# KiCad board mtr_led_system_map.kicad_pcb (continued)
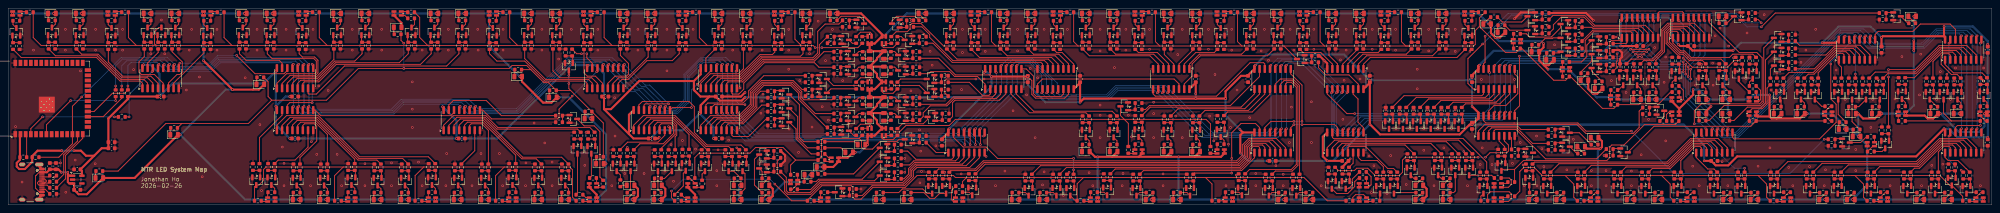
[diagram p0: board, top side]
## Placement (name value [footprint] x y rotation side) (continued)
R48  220R  [R_0603_1608Metric]  290.7 45.3 180 top
R49  220R  [R_0603_1608Metric]  283.7 45.3 180 top
R50  220R  [R_0603_1608Metric]  279.9 47.3 180 top
R51  220R  [R_0603_1608Metric]  270.5 45.3 180 top
R52  220R  [R_0603_1608Metric]  263.7 45.3 180 top
R53  220R  [R_0603_1608Metric]  452.3 18.5 180 top
R54  220R  [R_0603_1608Metric]  448.9 20.3 180 top
R55  220R  [R_0603_1608Metric]  445.4 20.6 0 top
R56  220R  [R_0603_1608Metric]  438.7 24.1 180 top
R57  220R  [R_0603_1608Metric]  433 24.1 180 top
R58  220R  [R_0603_1608Metric]  426.9 20.6 180 top
R59  220R  [R_0603_1608Metric]  420.4 20.7 180 top
R60  220R  [R_0603_1608Metric]  414.6 20.7 180 top
R61  220R  [R_0603_1608Metric]  103.7 3.1 180 top
R62  220R  [R_0603_1608Metric]  84 3.1 180 top
R63  220R  [R_0603_1608Metric]  64.4 3.1 180 top
R64  220R  [R_0603_1608Metric]  276.6 14.9 180 top
R65  220R  [R_0603_1608Metric]  296.7 14.9 180 top
R66  220R  [R_0603_1608Metric]  298.7 3.1 180 top
R67  220R  [R_0603_1608Metric]  483.4 24.2 180 top
R68  220R  [R_0603_1608Metric]  463.4 24.2 180 top
R69  220R  [R_0603_1608Metric]  455.8 13.1 180 top
R70  220R  [R_0603_1608Metric]  100.4 1 0 top
R71  220R  [R_0603_1608Metric]  97.1 3 180 top
R72  220R  [R_0603_1608Metric]  90.4 3 180 top
R73  220R  [R_0603_1608Metric]  80.7 1 0 top
R74  220R  [R_0603_1608Metric]  77.3 3 180 top
R75  220R  [R_0603_1608Metric]  70.6 3 180 top
R76  220R  [R_0603_1608Metric]  61.1 1 0 top
R77  220R  [R_0603_1608Metric]  274.1 13.5 270 top
R78  220R  [R_0603_1608Metric]  283.7 14.8 180 top
R79  220R  [R_0603_1608Metric]  290.7 14.8 180 top
R80  220R  [R_0603_1608Metric]  294.2 13.5 270 top
R81  220R  [R_0603_1608Metric]  318.4 3 0 top
R82  220R  [R_0603_1608Metric]  311.7 3 0 top
R83  220R  [R_0603_1608Metric]  295.4 1 0 top
R84  220R  [R_0603_1608Metric]  483.4 20.6 0 top
R85  220R  [R_0603_1608Metric]  477 24.1 180 top
R86  220R  [R_0603_1608Metric]  471.3 24.1 180 top
R87  220R  [R_0603_1608Metric]  463.4 20.6 180 top
R88  220R  [R_0603_1608Metric]  457 24.1 180 top
R89  220R  [R_0603_1608Metric]  451.2 24.1 180 top
R90  220R  [R_0603_1608Metric]  455.8 16.7 0 top
R91  220R  [R_0603_1608Metric]  145.6 5.2 270 top
R92  220R  [R_0603_1608Metric]  139.8 2.5 0 top
R93  220R  [R_0603_1608Metric]  123.4 3.1 180 top
R94  220R  [R_0603_1608Metric]  265.7 3.1 180 top
R95  220R  [R_0603_1608Metric]  232.7 3.1 180 top
R96  220R  [R_0603_1608Metric]  482.4 3.1 0 top
R97  220R  [R_0603_1608Metric]  459 3.1 0 top
R98  220R  [R_0603_1608Metric]  435.3 3.1 0 top
R99  220R  [R_0603_1608Metric]  143.1 6.6 0 top
R100  220R  [R_0603_1608Metric]  139.8 1 0 top
R101  220R  [R_0603_1608Metric]  136.3 3 180 top
R102  220R  [R_0603_1608Metric]  129.7 3 180 top
R103  220R  [R_0603_1608Metric]  120.1 1 0 top
R104  220R  [R_0603_1608Metric]  116.7 3 180 top
R105  220R  [R_0603_1608Metric]  110 3 180 top
R106  220R  [R_0603_1608Metric]  286 3 180 top
R107  220R  [R_0603_1608Metric]  279.3 3 0 top
R108  220R  [R_0603_1608Metric]  262.4 1 0 top
R109  220R  [R_0603_1608Metric]  253.3 3 180 top
R110  220R  [R_0603_1608Metric]  246.5 3 180 top
R111  220R  [R_0603_1608Metric]  232.7 4.6 180 top
R112  220R  [R_0603_1608Metric]  220.1 3 180 top
R113  220R  [R_0603_1608Metric]  213.3 3 180 top
R114  220R  [R_0603_1608Metric]  479.1 1 0 top
R115  220R  [R_0603_1608Metric]  474.7 3 0 top
R116  220R  [R_0603_1608Metric]  467.9 3 0 top
R117  220R  [R_0603_1608Metric]  455.7 1 0 top
R118  220R  [R_0603_1608Metric]  450.9 3 0 top
R119  220R  [R_0603_1608Metric]  444.1 3 0 top
R120  220R  [R_0603_1608Metric]  432 1 0 top
R121  220R  [R_0603_1608Metric]  118.6 45.2 0 top
R122  220R  [R_0603_1608Metric]  141.7 45.2 0 top
R123  220R  [R_0603_1608Metric]  165 45.2 0 top
R124  220R  [R_0603_1608Metric]  361.2 1 0 top
R125  220R  [R_0603_1608Metric]  364.5 6.6 0 top
R126  220R  [R_0603_1608Metric]  331.5 8.1 0 top
R127  220R  [R_0603_1608Metric]  334.8 1 180 top
R128  220R  [R_0603_1608Metric]  121.9 47.3 180 top
R129  220R  [R_0603_1608Metric]  127.2 45.3 180 top
R130  220R  [R_0603_1608Metric]  134.1 45.3 180 top
R131  220R  [R_0603_1608Metric]  145 47.3 180 top
R132  220R  [R_0603_1608Metric]  150.6 45.3 180 top
R133  220R  [R_0603_1608Metric]  157.4 45.3 180 top
R134  220R  [R_0603_1608Metric]  168.3 47.3 180 top
R135  220R  [R_0603_1608Metric]  367.8 2.1 180 top
R136  220R  [R_0603_1608Metric]  367.8 5.6 180 top
R137  220R  [R_0603_1608Metric]  352 3 180 top
R138  220R  [R_0603_1608Metric]  352 6.5 0 top
R139  220R  [R_0603_1608Metric]  345.3 6.5 0 top
R140  220R  [R_0603_1608Metric]  345.3 3 0 top
R141  220R  [R_0603_1608Metric]  331.5 6.6 0 top
R142  220R  [R_0603_1608Metric]  328.2 1 0 top
R143  220R  [R_0603_1608Metric]  22.3 8.3 180 top
R144  220R  [R_0603_1608Metric]  40.6 18.9 180 top
R145  220R  [R_0603_1608Metric]  61.7 31.3 180 top
R146  220R  [R_0603_1608Metric]  95.3 41.9 180 top
R147  220R  [R_0603_1608Metric]  124.8 33.2 180 top
R148  220R  [R_0603_1608Metric]  133.3 28.1 180 top
R149  220R  [R_0603_1608Metric]  142 22.9 180 top
R150  220R  [R_0603_1608Metric]  144.8 11.8 180 top
R151  220R  [R_0603_1608Metric]  169.8 5.2 270 top
R152  220R  [R_0603_1608Metric]  163.9 2.5 0 top
R153  220R  [R_0603_1608Metric]  357.3 45.2 0 top
R154  220R  [R_0603_1608Metric]  336.8 45.2 0 top
R155  220R  [R_0603_1608Metric]  316.9 45.2 0 top
R156  220R  [R_0603_1608Metric]  178.5 3 180 top
R157  220R  [R_0603_1608Metric]  178.5 6.5 180 top
R158  220R  [R_0603_1608Metric]  167.2 6.6 180 top
R159  220R  [R_0603_1608Metric]  163.9 1 0 top
R160  220R  [R_0603_1608Metric]  159 6.5 180 top
R161  220R  [R_0603_1608Metric]  159 3 180 top
R162  220R  [R_0603_1608Metric]  152.3 3 0 top
R163  220R  [R_0603_1608Metric]  149.8 5.3 270 top
R164  220R  [R_0603_1608Metric]  360.6 47.3 180 top
R165  220R  [R_0603_1608Metric]  351 45.3 180 top
R166  220R  [R_0603_1608Metric]  344.2 45.3 180 top
R167  220R  [R_0603_1608Metric]  340.1 47.3 180 top
R168  220R  [R_0603_1608Metric]  330.8 45.3 180 top
R169  220R  [R_0603_1608Metric]  324 45.3 180 top
R170  220R  [R_0603_1608Metric]  320.2 47.3 180 top
R171  220R  [R_0603_1608Metric]  188.4 45.2 0 top
R172  220R  [R_0603_1608Metric]  207.5 40.5 90 top
R173  220R  [R_0603_1608Metric]  419.5 44.6 180 top
R174  220R  [R_0603_1608Metric]  465.9 44.6 0 top
R175  220R  [R_0603_1608Metric]  173.8 45.3 180 top
R176  220R  [R_0603_1608Metric]  180.7 45.3 180 top
R177  220R  [R_0603_1608Metric]  191.7 47.3 180 top
R178  220R  [R_0603_1608Metric]  195.3 45.3 180 top
R179  220R  [R_0603_1608Metric]  202 45.3 180 top
R180  220R  [R_0603_1608Metric]  209 40.5 90 top
R181  220R  [R_0603_1608Metric]  209.1 36.8 270 top
R182  220R  [R_0603_1608Metric]  209.1 33 270 top
R183  5.1k  [R_0603_1608Metric]  11 2.7 0 top
R184  5.1k  [R_0603_1608Metric]  11 7.2 0 top
R185  220R  [R_0603_1608Metric]  207.5 29.3 90 top
R186  220R  [R_0603_1608Metric]  207.5 17.9 90 top
R187  220R  [R_0603_1608Metric]  199 12.5 0 top
R188  220R  [R_0603_1608Metric]  405 20.6 0 top
R189  220R  [R_0603_1608Metric]  209 29.3 90 top
R190  220R  [R_0603_1608Metric]  209.1 25.5 270 top
R191  220R  [R_0603_1608Metric]  209.1 21.6 270 top
R192  220R  [R_0603_1608Metric]  209 17.9 90 top
R193  220R  [R_0603_1608Metric]  199 15.5 0 top
R194  220R  [R_0603_1608Metric]  199 14 0 top
R195  220R  [R_0603_1608Metric]  199 11 0 top
R196  220R  [R_0603_1608Metric]  408 20.6 180 top
R197  220R  [R_0603_1608Metric]  388.2 14.8 0 top
R198  220R  [R_0603_1608Metric]  384.9 12.6 0 top
R199  22R  [R_0603_1608Metric]  11 5.7 0 top
R200  22R  [R_0603_1608Metric]  11 4.2 0 top
R201  220R  [R_0603_1608Metric]  192.3 3.8 180 top
R202  220R  [R_0603_1608Metric]  199.7 3.1 180 top
R203  220R  [R_0603_1608Metric]  381.2 35.1 180 top
R204  220R  [R_0603_1608Metric]  369.2 42 180 top
R205  220R  [R_0603_1608Metric]  199 7.6 180 top
R206  220R  [R_0603_1608Metric]  195.6 5.7 180 top
R207  220R  [R_0603_1608Metric]  192.3 7.4 0 top
R208  220R  [R_0603_1608Metric]  185.3 6.5 0 top
R209  220R  [R_0603_1608Metric]  185.3 3 0 top
R210  220R  [R_0603_1608Metric]  196.4 1 0 top
R211  220R  [R_0603_1608Metric]  389.2 30.3 180 top
R212  220R  [R_0603_1608Metric]  385.7 32.3 0 top
R213  220R  [R_0603_1608Metric]  381.2 31.5 180 top
R214  220R  [R_0603_1608Metric]  377.3 37.3 180 top
R215  220R  [R_0603_1608Metric]  373.7 39.3 180 top
R216  220R  [R_0603_1608Metric]  369.2 38.4 180 top
R217  220R  [R_0603_1608Metric]  365.4 44.1 180 top
R218  220R  [R_0603_1608Metric]  363.6 46.1 180 top
R219  10k  [R_0603_1608Metric]  3.7 11.7 0 top
R220  33R  [R_0603_1608Metric]  27.8 21.6 0 top
R221  33R  [R_0603_1608Metric]  26.3 27.4 90 top
R222  33R  [R_0603_1608Metric]  27.8 27.4 90 top
R223  10k  [R_0603_1608Metric]  6.7 11.7 180 top
R224  220R  [R_0603_1608Metric]  217.6 29.3 270 top
R225  220R  [R_0603_1608Metric]  217.6 17.9 270 top
R226  220R  [R_0603_1608Metric]  426.9 29.2 0 top
R227  220R  [R_0603_1608Metric]  408 29.2 0 top
R228  220R  [R_0603_1608Metric]  393 28.2 180 top
R229  10k  [R_0603_1608Metric]  29.3 27.4 270 top
R230  220R  [R_0603_1608Metric]  216 36.8 270 top
R231  220R  [R_0603_1608Metric]  216 33 270 top
R232  220R  [R_0603_1608Metric]  216.1 29.3 270 top
R233  220R  [R_0603_1608Metric]  216 25.5 270 top
R234  220R  [R_0603_1608Metric]  216 21.6 270 top
R235  220R  [R_0603_1608Metric]  216.1 17.9 270 top
R236  220R  [R_0603_1608Metric]  263.7 14.8 180 top
R237  220R  [R_0603_1608Metric]  270.5 14.8 180 top
R238  220R  [R_0603_1608Metric]  426.9 27.7 0 top
R239  220R  [R_0603_1608Metric]  420.4 27.6 180 top
R240  220R  [R_0603_1608Metric]  414.6 27.6 180 top
R241  220R  [R_0603_1608Metric]  408 27.7 0 top
R242  220R  [R_0603_1608Metric]  402.4 27.6 180 top
R243  220R  [R_0603_1608Metric]  398.6 27.6 180 top
R244  220R  [R_0603_1608Metric]  393 24.6 180 top
R245  100R  [R_0603_1608Metric]  40.1 39.1 90 top
R246  10k  [R_0603_1608Metric]  41.7 39.1 270 top
R247  100R  [R_0603_1608Metric]  47.9 39 90 top
R248  10k  [R_0603_1608Metric]  49.5 39 270 top
R249  100R  [R_0603_1608Metric]  16.7 39.1 90 top
R250  10k  [R_0603_1608Metric]  18.3 39.1 270 top
R251  100R  [R_0603_1608Metric]  24.5 39 90 top
R252  10k  [R_0603_1608Metric]  26.1 39 270 top
R253  100R  [R_0603_1608Metric]  33.3 39.1 90 top
R254  10k  [R_0603_1608Metric]  34.9 39.1 270 top
R255  100R  [R_0603_1608Metric]  9.9 39.1 90 top
R256  10k  [R_0603_1608Metric]  11.5 39.1 270 top
R257  100R  [R_0603_1608Metric]  1.2 39 90 top
R258  10k  [R_0603_1608Metric]  2.8 39 270 top
R259  100R  [R_0603_1608Metric]  36.7 39.1 90 top
R260  10k  [R_0603_1608Metric]  38.3 39.1 270 top
R261  100R  [R_0603_1608Metric]  103.5 39.1 90 top
R262  10k  [R_0603_1608Metric]  105.1 39.1 270 top
R263  100R  [R_0603_1608Metric]  110.3 39.1 90 top
R264  10k  [R_0603_1608Metric]  111.9 39.1 270 top
R265  100R  [R_0603_1608Metric]  79.7 39.1 90 top
R266  10k  [R_0603_1608Metric]  81.3 39.1 270 top
R267  100R  [R_0603_1608Metric]  86.6 39.1 90 top
R268  10k  [R_0603_1608Metric]  88.2 39.1 270 top
R269  100R  [R_0603_1608Metric]  97.9 39.1 90 top
R270  10k  [R_0603_1608Metric]  99.5 39.1 270 top
R271  100R  [R_0603_1608Metric]  71.2 39 90 top
R272  10k  [R_0603_1608Metric]  72.8 39 270 top
R273  100R  [R_0603_1608Metric]  63.4 39.1 90 top
R274  10k  [R_0603_1608Metric]  65 39.1 270 top
R275  100R  [R_0603_1608Metric]  56.6 39.1 90 top
R276  10k  [R_0603_1608Metric]  58.2 39.1 270 top
R277  100R  [R_0603_1608Metric]  156.6 39.1 90 top
R278  10k  [R_0603_1608Metric]  158.2 39.1 270 top
R279  100R  [R_0603_1608Metric]  164.2 39 90 top
R280  10k  [R_0603_1608Metric]  165.8 39 270 top
R281  100R  [R_0603_1608Metric]  133.3 39.1 90 top
R282  10k  [R_0603_1608Metric]  134.9 39.1 270 top
R283  100R  [R_0603_1608Metric]  140.9 39 90 top
R284  10k  [R_0603_1608Metric]  142.5 39 270 top
R285  100R  [R_0603_1608Metric]  149.8 39.1 90 top
R286  10k  [R_0603_1608Metric]  151.4 39.1 270 top
R287  100R  [R_0603_1608Metric]  126.4 39.1 90 top
R288  10k  [R_0603_1608Metric]  128 39.1 270 top
R289  100R  [R_0603_1608Metric]  117.8 39 90 top
R290  10k  [R_0603_1608Metric]  119.4 39 270 top
R291  100R  [R_0603_1608Metric]  138 37.4 270 top
R292  10k  [R_0603_1608Metric]  136.4 37.4 90 top
R293  100R  [R_0603_1608Metric]  202.9 37.6 0 top
R294  10k  [R_0603_1608Metric]  202.9 36 180 top
R295  100R  [R_0603_1608Metric]  202.9 33.8 0 top
R296  10k  [R_0603_1608Metric]  202.9 32.2 180 top
R297  100R  [R_0603_1608Metric]  194.5 39.1 90 top
R298  10k  [R_0603_1608Metric]  196.1 39.1 270 top
R299  100R  [R_0603_1608Metric]  205 45.3 0 top
R300  10k  [R_0603_1608Metric]  205 43.7 180 top
R301  100R  [R_0603_1608Metric]  201.3 41.3 0 top
R302  10k  [R_0603_1608Metric]  201.3 39.7 180 top
R303  100R  [R_0603_1608Metric]  187.6 39 90 top
R304  10k  [R_0603_1608Metric]  189.2 39 270 top
R305  100R  [R_0603_1608Metric]  179.9 39.1 90 top
R306  10k  [R_0603_1608Metric]  181.5 39.1 270 top
R307  100R  [R_0603_1608Metric]  173 39.1 90 top
R308  10k  [R_0603_1608Metric]  174.6 39.1 270 top
R309  100R  [R_0603_1608Metric]  186.7 24.5 0 top
R310  10k  [R_0603_1608Metric]  186.7 22.9 180 top
R311  100R  [R_0603_1608Metric]  186.7 21.1 0 top
R312  10k  [R_0603_1608Metric]  186.7 19.5 180 top
R313  100R  [R_0603_1608Metric]  202.9 22.4 0 top
R314  10k  [R_0603_1608Metric]  202.9 20.8 180 top
R315  100R  [R_0603_1608Metric]  201.3 19 0 top
R316  10k  [R_0603_1608Metric]  201.3 17.4 180 top
R317  100R  [R_0603_1608Metric]  186.7 27.9 0 top
R318  10k  [R_0603_1608Metric]  186.7 26.3 180 top
R319  100R  [R_0603_1608Metric]  202.9 26.3 0 top
R320  10k  [R_0603_1608Metric]  202.9 24.7 180 top
R321  100R  [R_0603_1608Metric]  195.9 28.3 0 top
R322  10k  [R_0603_1608Metric]  195.9 26.7 180 top
R323  100R  [R_0603_1608Metric]  195.9 31.7 0 top
R324  10k  [R_0603_1608Metric]  195.9 30.1 180 top
R325  100R  [R_0603_1608Metric]  153.1 12.7 270 top
R326  10k  [R_0603_1608Metric]  151.5 12.7 90 top
R327  100R  [R_0603_1608Metric]  149.7 12.7 270 top
R328  10k  [R_0603_1608Metric]  148.1 12.7 90 top
R329  100R  [R_0603_1608Metric]  166.6 12.8 270 top
R330  10k  [R_0603_1608Metric]  165 12.8 90 top
R331  100R  [R_0603_1608Metric]  163.2 12.7 270 top
R332  10k  [R_0603_1608Metric]  161.6 12.7 90 top
R333  100R  [R_0603_1608Metric]  159.8 12.7 270 top
R334  10k  [R_0603_1608Metric]  158.2 12.7 90 top
R335  100R  [R_0603_1608Metric]  171.3 12.7 270 top
R336  10k  [R_0603_1608Metric]  169.7 12.7 90 top
R337  100R  [R_0603_1608Metric]  177.1 12.7 270 top
R338  10k  [R_0603_1608Metric]  175.5 12.7 90 top
R339  100R  [R_0603_1608Metric]  180.5 12.7 270 top
R340  10k  [R_0603_1608Metric]  178.9 12.7 90 top
R341  100R  [R_0603_1608Metric]  117.5 9.2 270 top
R342  10k  [R_0603_1608Metric]  115.9 9.2 90 top
R343  100R  [R_0603_1608Metric]  110.9 9.2 270 top
R344  10k  [R_0603_1608Metric]  109.3 9.2 90 top
R345  100R  [R_0603_1608Metric]  137.1 9.2 270 top
R346  10k  [R_0603_1608Metric]  135.5 9.2 90 top
R347  100R  [R_0603_1608Metric]  130.5 9.2 270 top
R348  10k  [R_0603_1608Metric]  128.9 9.2 90 top
R349  100R  [R_0603_1608Metric]  124.2 9.3 270 top
R350  10k  [R_0603_1608Metric]  122.6 9.3 90 top
R351  100R  [R_0603_1608Metric]  140.1 17 270 top
R352  10k  [R_0603_1608Metric]  138.5 17 90 top
R353  100R  [R_0603_1608Metric]  143.5 17 270 top
R354  10k  [R_0603_1608Metric]  141.9 17 90 top
R355  100R  [R_0603_1608Metric]  134.8 21.9 0 top
R356  10k  [R_0603_1608Metric]  134.8 20.3 180 top
R357  100R  [R_0603_1608Metric]  71.4 9.2 270 top
R358  10k  [R_0603_1608Metric]  69.8 9.2 90 top
R359  100R  [R_0603_1608Metric]  65.2 9.3 270 top
R360  10k  [R_0603_1608Metric]  63.6 9.3 90 top
R361  100R  [R_0603_1608Metric]  91.2 9.2 270 top
R362  10k  [R_0603_1608Metric]  89.6 9.2 90 top
R363  100R  [R_0603_1608Metric]  84.8 9.3 270 top
R364  10k  [R_0603_1608Metric]  83.2 9.3 90 top
R365  100R  [R_0603_1608Metric]  78.1 9.2 270 top
R366  10k  [R_0603_1608Metric]  76.5 9.2 90 top
R367  100R  [R_0603_1608Metric]  97.9 9.2 270 top
R368  10k  [R_0603_1608Metric]  96.3 9.2 90 top
R369  100R  [R_0603_1608Metric]  104.5 9.3 270 top
R370  10k  [R_0603_1608Metric]  102.9 9.3 90 top
R371  100R  [R_0603_1608Metric]  61.5 9.3 270 top
R372  10k  [R_0603_1608Metric]  59.9 9.3 90 top
R373  100R  [R_0603_1608Metric]  441.7 7.2 270 top
R374  10k  [R_0603_1608Metric]  440.1 7.2 90 top
R375  100R  [R_0603_1608Metric]  432.9 7.2 270 top
R376  10k  [R_0603_1608Metric]  431.3 7.2 90 top
R377  100R  [R_0603_1608Metric]  465.5 7.2 270 top
R378  10k  [R_0603_1608Metric]  463.9 7.2 90 top
R379  100R  [R_0603_1608Metric]  456.6 7.2 270 top
R380  10k  [R_0603_1608Metric]  455 7.2 90 top
R381  100R  [R_0603_1608Metric]  448.5 7.2 270 top
R382  10k  [R_0603_1608Metric]  446.9 7.2 90 top
R383  100R  [R_0603_1608Metric]  472.3 7.2 270 top
R384  10k  [R_0603_1608Metric]  470.7 7.2 90 top
R385  100R  [R_0603_1608Metric]  480 7.2 270 top
R386  10k  [R_0603_1608Metric]  478.4 7.2 90 top
R387  100R  [R_0603_1608Metric]  476.4 9.2 270 top
R388  10k  [R_0603_1608Metric]  474.8 9.2 90 top
R389  100R  [R_0603_1608Metric]  352.3 23.1 270 top
R390  10k  [R_0603_1608Metric]  350.7 23.1 90 top
R391  100R  [R_0603_1608Metric]  355.7 23.1 270 top
R392  10k  [R_0603_1608Metric]  354.1 23.1 90 top
R393  100R  [R_0603_1608Metric]  342.1 23.1 270 top
R394  10k  [R_0603_1608Metric]  340.5 23.1 90 top
R395  100R  [R_0603_1608Metric]  345.5 23.1 270 top
R396  10k  [R_0603_1608Metric]  343.9 23.1 90 top
R397  100R  [R_0603_1608Metric]  348.9 23.1 270 top
R398  10k  [R_0603_1608Metric]  347.3 23.1 90 top
R399  100R  [R_0603_1608Metric]  338.7 23.1 270 top
R400  10k  [R_0603_1608Metric]  337.1 23.1 90 top
R401  100R  [R_0603_1608Metric]  458.7 47.1 0 top
R402  10k  [R_0603_1608Metric]  458.7 45.5 180 top
R403  100R  [R_0603_1608Metric]  426.7 45.5 180 top
R404  10k  [R_0603_1608Metric]  426.7 47.1 0 top
R405  100R  [R_0603_1608Metric]  377.4 7.2 270 top
R406  10k  [R_0603_1608Metric]  375.8 7.2 90 top
R407  100R  [R_0603_1608Metric]  373 9.2 270 top
R408  10k  [R_0603_1608Metric]  371.4 9.2 90 top
R409  100R  [R_0603_1608Metric]  401.4 7.2 270 top
R410  10k  [R_0603_1608Metric]  399.8 7.2 90 top
R411  100R  [R_0603_1608Metric]  394.6 7.2 270 top
R412  10k  [R_0603_1608Metric]  393 7.2 90 top
R413  100R  [R_0603_1608Metric]  385.7 7.2 270 top
R414  10k  [R_0603_1608Metric]  384.1 7.2 90 top
R415  100R  [R_0603_1608Metric]  409.3 7.2 270 top
R416  10k  [R_0603_1608Metric]  407.7 7.2 90 top
R417  100R  [R_0603_1608Metric]  418.2 7.2 270 top
R418  10k  [R_0603_1608Metric]  416.6 7.2 90 top
R419  100R  [R_0603_1608Metric]  424.9 7.2 270 top
R420  10k  [R_0603_1608Metric]  423.3 7.2 90 top
R421  100R  [R_0603_1608Metric]  328.1 8.4 270 top
R422  10k  [R_0603_1608Metric]  326.5 8.4 90 top
R423  100R  [R_0603_1608Metric]  336.5 7.2 270 top
R424  10k  [R_0603_1608Metric]  334.9 7.2 90 top
R425  100R  [R_0603_1608Metric]  350.7 11.7 270 top
R426  10k  [R_0603_1608Metric]  349.1 11.7 90 top
R427  100R  [R_0603_1608Metric]  344 11.7 270 top
R428  10k  [R_0603_1608Metric]  342.4 11.7 90 top
R429  100R  [R_0603_1608Metric]  339.9 7.2 270 top
R430  10k  [R_0603_1608Metric]  338.3 7.2 90 top
R431  100R  [R_0603_1608Metric]  354.9 11.7 270 top
R432  10k  [R_0603_1608Metric]  353.3 11.7 90 top
R433  100R  [R_0603_1608Metric]  358.3 11.7 270 top
R434  10k  [R_0603_1608Metric]  356.7 11.7 90 top
R435  100R  [R_0603_1608Metric]  361.8 7.2 270 top
R436  10k  [R_0603_1608Metric]  360.2 7.2 90 top
R437  100R  [R_0603_1608Metric]  230.3 7.2 270 top
R438  10k  [R_0603_1608Metric]  228.7 7.2 90 top
R439  100R  [R_0603_1608Metric]  226.9 7.2 270 top
R440  10k  [R_0603_1608Metric]  225.3 7.2 90 top
R441  100R  [R_0603_1608Metric]  257.3 6.7 270 top
R442  10k  [R_0603_1608Metric]  255.7 6.7 90 top
R443  100R  [R_0603_1608Metric]  250.5 6.7 270 top
R444  10k  [R_0603_1608Metric]  248.9 6.7 90 top
R445  100R  [R_0603_1608Metric]  236.7 6.8 270 top
R446  10k  [R_0603_1608Metric]  235.1 6.8 90 top
R447  100R  [R_0603_1608Metric]  269.7 6.8 270 top
R448  10k  [R_0603_1608Metric]  268.1 6.8 90 top
R449  100R  [R_0603_1608Metric]  276.9 6.7 270 top
R450  10k  [R_0603_1608Metric]  275.3 6.7 90 top
R451  100R  [R_0603_1608Metric]  290 6.7 270 top
R452  10k  [R_0603_1608Metric]  288.4 6.7 90 top
R453  100R  [R_0603_1608Metric]  188.2 11.55 180 top
R454  10k  [R_0603_1608Metric]  188.2 13.25 0 top
R455  100R  [R_0603_1608Metric]  206.7 2.3 180 top
R456  10k  [R_0603_1608Metric]  206.7 3.9 0 top
R457  100R  [R_0603_1608Metric]  217.7 9.8 180 top
R458  10k  [R_0603_1608Metric]  217.7 11.4 0 top
R459  100R  [R_0603_1608Metric]  217.7 6.4 180 top
R460  10k  [R_0603_1608Metric]  217.7 8 0 top
R461  100R  [R_0603_1608Metric]  188.2 8.15 180 top
R462  10k  [R_0603_1608Metric]  188.2 9.75 0 top
R463  100R  [R_0603_1608Metric]  217.7 13.2 180 top
R464  10k  [R_0603_1608Metric]  217.7 14.8 0 top
R465  100R  [R_0603_1608Metric]  223.8 15.3 180 top
R466  10k  [R_0603_1608Metric]  223.8 16.9 0 top
R467  100R  [R_0603_1608Metric]  260.7 6.7 270 top
R468  10k  [R_0603_1608Metric]  259.1 6.7 90 top
R469  100R  [R_0603_1608Metric]  399.4 33.8 270 top
R470  10k  [R_0603_1608Metric]  397.8 33.8 90 top
R471  100R  [R_0603_1608Metric]  396 33.8 270 top
R472  10k  [R_0603_1608Metric]  394.4 33.8 90 top
R473  100R  [R_0603_1608Metric]  415.4 33.8 270 top
R474  10k  [R_0603_1608Metric]  413.8 33.8 90 top
R475  100R  [R_0603_1608Metric]  408.8 35.4 270 top
R476  10k  [R_0603_1608Metric]  407.2 35.4 90 top
R477  100R  [R_0603_1608Metric]  403.2 33.8 270 top
R478  10k  [R_0603_1608Metric]  401.6 33.8 90 top
R479  100R  [R_0603_1608Metric]  420.3 33.8 270 top
R480  10k  [R_0603_1608Metric]  418.7 33.8 90 top
R481  100R  [R_0603_1608Metric]  427.7 35.4 270 top
R482  10k  [R_0603_1608Metric]  426.1 35.4 90 top
R483  100R  [R_0603_1608Metric]  424.3 35.4 270 top
R484  10k  [R_0603_1608Metric]  422.7 35.4 90 top
R485  100R  [R_0603_1608Metric]  376.2 42.1 180 top
R486  10k  [R_0603_1608Metric]  376.2 43.7 0 top
R487  100R  [R_0603_1608Metric]  376.2 45.5 180 top
R488  10k  [R_0603_1608Metric]  376.2 47.1 0 top
R489  100R  [R_0603_1608Metric]  384.3 36.8 180 top
R490  10k  [R_0603_1608Metric]  384.3 38.4 0 top
R491  100R  [R_0603_1608Metric]  384.3 40.2 180 top
R492  10k  [R_0603_1608Metric]  384.3 41.8 0 top
R493  100R  [R_0603_1608Metric]  384.3 43.6 180 top
R494  10k  [R_0603_1608Metric]  384.3 45.2 0 top
R495  100R  [R_0603_1608Metric]  391.9 39.6 180 top
R496  10k  [R_0603_1608Metric]  391.9 41.2 0 top
R497  100R  [R_0603_1608Metric]  391.9 36.2 180 top
R498  10k  [R_0603_1608Metric]  391.9 37.8 0 top
R499  100R  [R_0603_1608Metric]  391.9 32.8 180 top
R500  10k  [R_0603_1608Metric]  391.9 34.4 0 top
R501  100R  [R_0603_1608Metric]  323.2 39.1 90 top
R502  10k  [R_0603_1608Metric]  324.8 39.1 270 top
R503  100R  [R_0603_1608Metric]  316.1 39 90 top
R504  10k  [R_0603_1608Metric]  317.7 39 270 top
R505  100R  [R_0603_1608Metric]  343.4 39.1 90 top
R506  10k  [R_0603_1608Metric]  345 39.1 270 top
R507  100R  [R_0603_1608Metric]  336 39 90 top
R508  10k  [R_0603_1608Metric]  337.6 39 270 top
R509  100R  [R_0603_1608Metric]  330 39.1 90 top
R510  10k  [R_0603_1608Metric]  331.6 39.1 270 top
R511  100R  [R_0603_1608Metric]  350.2 39.1 90 top
R512  10k  [R_0603_1608Metric]  351.8 39.1 270 top
R513  100R  [R_0603_1608Metric]  356.5 39 90 top
R514  10k  [R_0603_1608Metric]  358.1 39 270 top
R515  100R  [R_0603_1608Metric]  319.8 35 180 top
R516  10k  [R_0603_1608Metric]  319.8 36.6 0 top
R517  100R  [R_0603_1608Metric]  269.7 39.1 90 top
R518  10k  [R_0603_1608Metric]  271.3 39.1 270 top
R519  100R  [R_0603_1608Metric]  262.9 39.1 90 top
R520  10k  [R_0603_1608Metric]  264.5 39.1 270 top
R521  100R  [R_0603_1608Metric]  289.9 39.1 90 top
R522  10k  [R_0603_1608Metric]  291.5 39.1 270 top
R523  100R  [R_0603_1608Metric]  282.9 39.1 90 top
R524  10k  [R_0603_1608Metric]  284.5 39.1 270 top
R525  100R  [R_0603_1608Metric]  275.8 39 90 top
R526  10k  [R_0603_1608Metric]  277.4 39 270 top
R527  100R  [R_0603_1608Metric]  295.9 39 90 top
R528  10k  [R_0603_1608Metric]  297.5 39 270 top
R529  100R  [R_0603_1608Metric]  303.1 39.1 90 top
R530  10k  [R_0603_1608Metric]  304.7 39.1 270 top
R531  100R  [R_0603_1608Metric]  309.8 39.1 90 top
R532  10k  [R_0603_1608Metric]  311.4 39.1 270 top
R533  100R  [R_0603_1608Metric]  220.7 43.7 180 top
R534  10k  [R_0603_1608Metric]  220.7 45.3 0 top
R535  100R  [R_0603_1608Metric]  223.8 39.7 180 top
R536  10k  [R_0603_1608Metric]  223.8 41.3 0 top
R537  100R  [R_0603_1608Metric]  242.8 39.1 90 top
R538  10k  [R_0603_1608Metric]  244.4 39.1 270 top
R539  100R  [R_0603_1608Metric]  235.7 39 90 top
R540  10k  [R_0603_1608Metric]  237.3 39 270 top
R541  100R  [R_0603_1608Metric]  229.7 39.1 90 top
R542  10k  [R_0603_1608Metric]  231.3 39.1 270 top
R543  100R  [R_0603_1608Metric]  249.6 39.1 90 top
R544  10k  [R_0603_1608Metric]  251.2 39.1 270 top
R545  100R  [R_0603_1608Metric]  255.8 39 90 top
R546  10k  [R_0603_1608Metric]  257.4 39 270 top
R547  100R  [R_0603_1608Metric]  229.2 26.7 180 top
R548  10k  [R_0603_1608Metric]  229.2 28.3 0 top
R549  100R  [R_0603_1608Metric]  264.5 21 270 top
R550  10k  [R_0603_1608Metric]  262.9 21 90 top
R551  100R  [R_0603_1608Metric]  271.3 21 270 top
R552  10k  [R_0603_1608Metric]  269.7 21 90 top
R553  100R  [R_0603_1608Metric]  222.2 24.7 180 top
R554  10k  [R_0603_1608Metric]  222.2 26.3 0 top
R555  100R  [R_0603_1608Metric]  222.2 20.8 180 top
R556  10k  [R_0603_1608Metric]  222.2 22.4 0 top
R557  100R  [R_0603_1608Metric]  229.4 20.8 180 top
R558  10k  [R_0603_1608Metric]  229.4 22.4 0 top
R559  100R  [R_0603_1608Metric]  229.2 30.1 180 top
R560  10k  [R_0603_1608Metric]  229.2 31.7 0 top
R561  100R  [R_0603_1608Metric]  222.2 32.2 180 top
R562  10k  [R_0603_1608Metric]  222.2 33.8 0 top
R563  100R  [R_0603_1608Metric]  222.2 36 180 top
R564  10k  [R_0603_1608Metric]  222.2 37.6 0 top
R565  100R  [R_0603_1608Metric]  309.3 6.7 270 top
